# KiCad board nyx.kicad_pcb (continued)
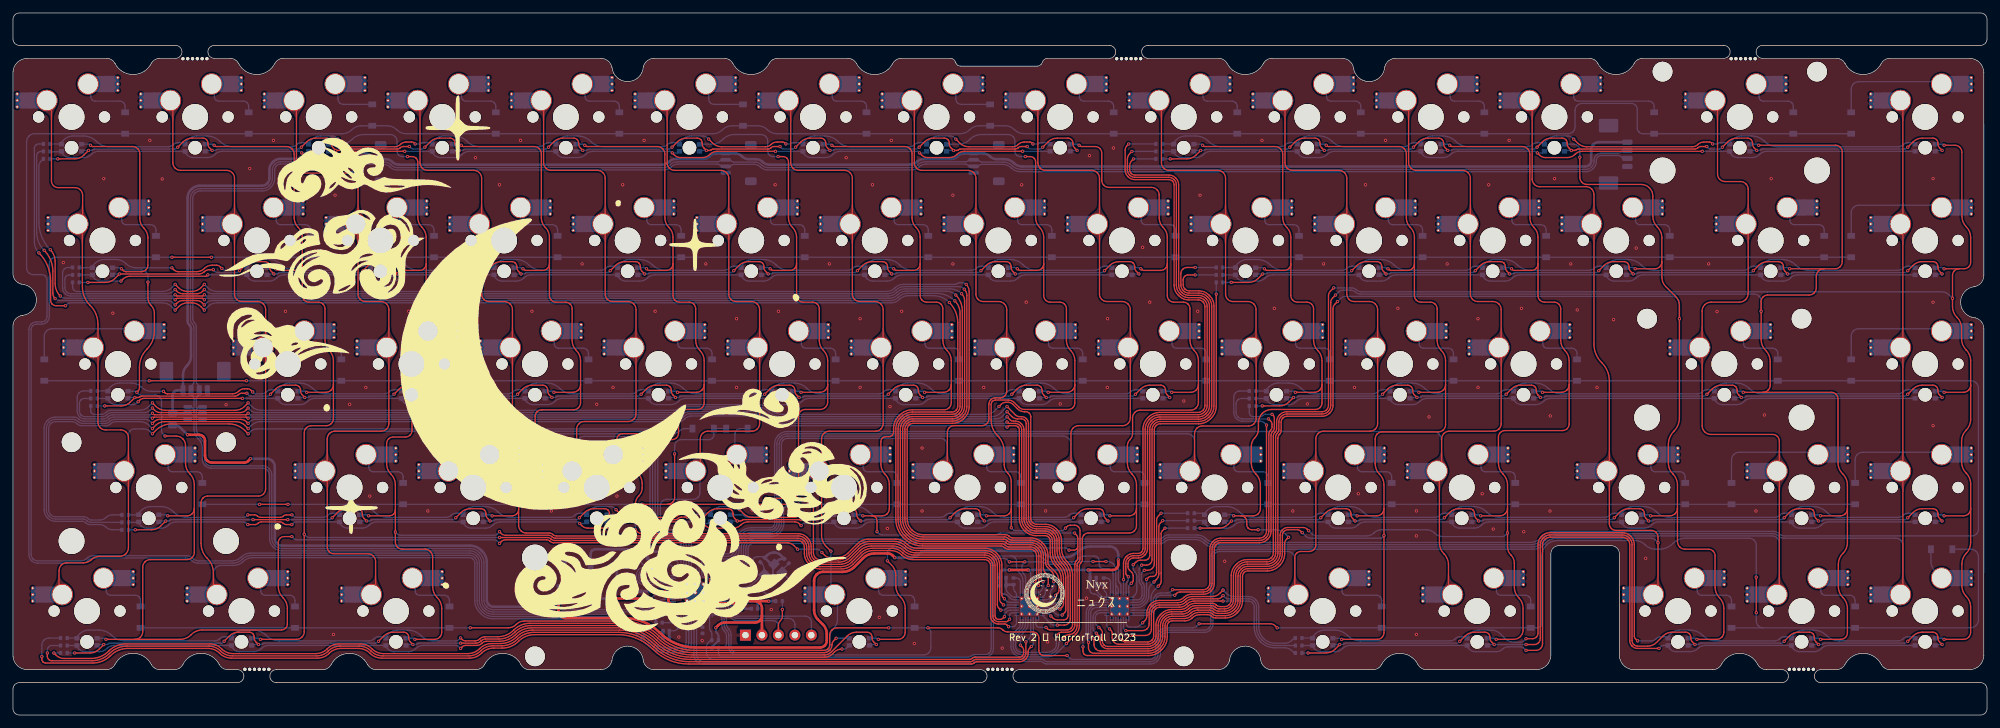
[diagram p0: board, top side]
## Routing (per net, layer and track width the routed paths; a pad name or vN(x,y) marks a point on that pad's centre or on a via; arc(x,y) is an arc through that point) (continued)
  Bottom w0.2: R15.1 8.5,69.02 arc(8.18,68.96) 7.9,68.77 7.9,68.77 arc(7.72,68.5) 7.65,68.17 7.65,65.87 arc(7.74,65.42) 8,65.03 8.05,64.97 arc(8.44,64.71) 8.9,64.62 24.7,64.62 arc(24.79,64.64) 24.87,64.7 v1(25,64.82) ; U2.1 159,18.48 arc(159.11,18.64) 159.15,18.83 159.15,19.31 arc(159.19,19.51) 159.3,19.67 v1(159.6,19.97) ; v1(29.5,64.82) 29.63,64.7 arc(29.71,64.64) 29.8,64.62 134.93,64.62 arc(135.64,64.76) 136.24,65.16 136.26,65.18 arc(136.86,65.58) 137.57,65.72 144.44,65.72 arc(145.42,65.53) 146.25,64.98 v1(146.25,64.97)
CS4_2: length 69.5
  Top w0.2: v1(172.7,23.17) 173.11,23.58 arc(173.43,23.8) 173.82,23.87 174.49,23.87 arc(174.78,23.93) 175.02,24.09 175.03,24.1 arc(175.19,24.35) 175.25,24.63 175.25,44.04 arc(175.36,44.61) 175.69,45.1 175.77,45.18 arc(176.26,45.51) 176.83,45.62 182.75,45.62 arc(183.5,45.77) 184.13,46.19 184.23,46.29 arc(184.65,46.92) 184.8,47.67 184.8,63.07 arc(184.65,63.8) 184.24,64.41 184.14,64.51 arc(183.52,64.93) 182.8,65.07 181.3,65.07 arc(180.84,65.16) 180.45,65.42 180.4,65.47 arc(180.14,65.86) 180.05,66.32 180.05,68.1 arc(180.12,68.44) 180.31,68.73 180.34,68.76 arc(180.63,68.95) 180.97,69.02 v1(182.25,69.02)
  Bottom w0.2: U4.1 172.96,18.53 arc(173.17,18.85) 173.25,19.24 173.25,21.4 arc(173.18,21.74) 172.99,22.04 172.96,22.06 arc(172.77,22.35) 172.7,22.7 v1(172.7,23.17) ; 185.64,69.02 v1(182.25,69.02)
CS5_1: length 220
  Top w0.2: v1(146.65,65.67) 146.66,65.67 arc(146.95,65.23) 147.05,64.71 147.05,47.56 arc(146.89,46.76) 146.44,46.07 146.3,45.94 arc(145.62,45.49) 144.82,45.33 138.75,45.33 arc(138.29,45.24) 137.9,44.98 137.85,44.93 arc(137.59,44.54) 137.5,44.08 137.5,30.27 arc(137.71,29.21) 138.31,28.32 138.36,28.27 arc(139.25,27.68) 140.3,27.47 152.86,27.47 arc(153.16,27.41) 153.42,27.23 153.45,27.2 arc(153.71,27.03) 154.02,26.97 156.87,26.97 arc(157.71,26.8) 158.42,26.33 158.55,26.2 arc(159.03,25.48) 159.2,24.64 159.2,23.49 arc(159.27,23.1) 159.49,22.78 160.16,22.11 arc(160.37,21.79) 160.45,21.41 v1(160.45,20.57) ; v1(25,65.62) 25.28,65.34 arc(25.69,65.07) 26.17,64.97 28.33,64.97 arc(28.81,65.07) 29.22,65.34 v1(29.5,65.62)
  Bottom w0.2: v1(29.5,65.62) 29.64,65.48 arc(30.21,65.1) 30.88,64.97 134.79,64.97 arc(135.5,65.11) 136.1,65.51 136.11,65.53 arc(136.71,65.93) 137.42,66.07 145.69,66.07 arc(146.21,65.97) 146.65,65.68 v1(146.65,65.67) ; v1(160.45,20.57) 160.45,20 arc(160.38,19.65) 160.19,19.36 160.16,19.34 arc(159.97,19.04) 159.9,18.7 159.9,18.34 arc(159.86,18.13) 159.74,17.96 159.72,17.93 arc(159.54,17.81) 159.33,17.77 U2.2 ; v1(25,65.62) 24.86,65.48 arc(24.29,65.1) 23.62,64.97 8.92,64.97 arc(8.58,65.04) 8.29,65.23 8.26,65.26 arc(8.07,65.55) 8,65.9 8,67.2 arc(8.05,67.45) 8.19,67.66 8.21,67.68 arc(8.42,67.82) 8.67,67.87 R14.1
CS5_2: length 69
  Top w0.2: v1(182.25,67.87) 181.16,67.87 arc(180.87,67.82) 180.63,67.65 180.62,67.64 arc(180.46,67.4) 180.4,67.11 180.4,66.34 arc(180.47,66) 180.66,65.7 180.68,65.68 arc(180.98,65.49) 181.32,65.42 182.82,65.42 arc(183.66,65.25) 184.37,64.78 184.5,64.64 arc(184.98,63.93) 185.15,63.09 185.15,47.65 arc(184.98,46.79) 184.49,46.06 184.36,45.93 arc(183.63,45.44) 182.77,45.27 176.85,45.27 arc(176.39,45.18) 176,44.92 175.95,44.87 arc(175.69,44.48) 175.6,44.02 175.6,23.97 arc(175.54,23.65) 175.35,23.37 175.35,23.37 arc(175.07,23.19) 174.75,23.12 v1(174,23.12)
  Bottom w0.2: 185.64,67.87 v1(182.25,67.87) ; U4.2 173.38,17.77 arc(173.63,17.82) 173.84,17.96 173.86,17.98 arc(174,18.19) 174.05,18.44 174.05,19.66 arc(173.99,19.95) 173.83,20.19 173.82,20.2 arc(173.66,20.45) 173.6,20.73 173.6,22.51 arc(173.64,22.71) 173.75,22.87 v1(174,23.12)
CS6_1: length 219.2
  Top w0.2: v1(25,66.42) 25.52,65.91 arc(26.16,65.47) 26.93,65.32 27.57,65.32 arc(28.34,65.47) 28.98,65.91 v1(29.5,66.42) ; v1(146.95,66.42) 146.96,66.41 arc(147.29,65.93) 147.4,65.35 147.4,47.54 arc(147.22,46.62) 146.7,45.84 146.54,45.68 arc(145.76,45.16) 144.84,44.98 138.77,44.98 arc(138.43,44.91) 138.13,44.72 138.11,44.69 arc(137.92,44.4) 137.85,44.06 137.85,30.29 arc(138.04,29.35) 138.57,28.55 138.59,28.53 arc(139.38,28) 140.32,27.82 153,27.82 arc(153.31,27.76) 153.57,27.58 153.59,27.55 arc(153.85,27.38) 154.16,27.32 156.89,27.32 arc(157.85,27.13) 158.66,26.59 158.82,26.43 arc(159.36,25.62) 159.55,24.66 159.55,23.63 arc(159.62,23.25) 159.84,22.92 160.66,22.1 arc(161.1,21.45) 161.25,20.68 161.25,19.18 arc(161.21,18.99) 161.1,18.83 v1(160.75,18.47)
  Bottom w0.2: v1(160.75,18.47) 159.9,17.62 arc(159.62,17.44) 159.3,17.37 U2.3 ; R13.1 9.19,66 arc(9.24,65.75) 9.38,65.54 9.41,65.51 arc(9.62,65.37) 9.87,65.32 23.07,65.32 arc(23.84,65.47) 24.48,65.91 v1(25,66.42) ; v1(146.95,66.42) 146.95,66.42 arc(146.67,66.61) 146.35,66.67 145.87,66.67 arc(145.71,66.64) 145.58,66.56 145.57,66.54 arc(145.44,66.45) 145.28,66.42 137.28,66.42 arc(136.57,66.28) 135.97,65.88 135.95,65.86 arc(135.35,65.46) 134.64,65.32 31.43,65.32 arc(30.66,65.47) 30.02,65.91 v1(29.5,66.42)
CS6_2: length 60
  Top w0.2: v1(185.5,64.92) 185.5,47.63 arc(185.31,46.65) 184.75,45.83 184.6,45.67 arc(183.77,45.12) 182.79,44.92 176.87,44.92 arc(176.53,44.85) 176.23,44.66 176.21,44.64 arc(176.02,44.34) 175.95,44 175.95,23.34 arc(175.87,22.95) 175.66,22.63 175.64,22.62 arc(175.32,22.4) 174.94,22.32 v1(174.4,22.32)
  Bottom w0.2: U4.3 173.35,17.37 arc(173.71,17.44) 174.02,17.65 174.12,17.75 arc(174.33,18.06) 174.4,18.42 174.4,19.81 arc(174.34,20.09) 174.18,20.34 174.17,20.35 arc(174.01,20.59) 173.95,20.88 173.95,21.66 arc(173.99,21.86) 174.1,22.02 v1(174.4,22.32) ; v1(185.5,64.92) R28.1
CS7_1: length 211.2
  Top w0.2: v1(21.5,44.17) 21.99,44.66 arc(22.64,45.09) 23.4,45.25 34.35,45.25 arc(35.11,45.09) 35.76,44.66 v1(36.25,44.17) ; v1(153.25,44.4) 153.4,44.55 arc(153.48,44.6) 153.58,44.62 154.49,44.62 arc(154.74,44.57) 154.95,44.43 154.96,44.42 arc(155.1,44.21) 155.15,43.96 155.15,30.23 arc(155.33,29.31) 155.85,28.53 156.01,28.37 arc(156.79,27.85) 157.71,27.67 159.09,27.67 arc(159.39,27.61) 159.65,27.44 159.66,27.43 arc(159.84,27.17) 159.9,26.86 159.9,24.99 arc(160.12,23.89) 160.75,22.94 160.75,22.94 arc(161.38,22) 161.6,20.89 161.6,17.73 arc(161.58,17.63) 161.53,17.55 v1(161.25,17.27)
  Bottom w0.2: R21.1 15.31,30.87 arc(14.79,30.77) 14.36,30.48 14.35,30.47 arc(13.91,30.17) 13.39,30.07 12.12,30.07 arc(11.82,30.13) 11.56,30.31 11.52,30.34 arc(11.27,30.51) 10.96,30.57 6.61,30.57 arc(6.18,30.66) 5.83,30.89 5.82,30.9 arc(5.58,31.26) 5.5,31.68 5.5,44.19 arc(5.58,44.59) 5.81,44.93 5.82,44.94 arc(6.16,45.17) 6.56,45.25 9.11,45.25 arc(9.51,45.17) 9.86,44.94 9.87,44.93 arc(10.21,44.7) 10.61,44.62 14.34,44.62 arc(14.74,44.7) 15.08,44.93 15.09,44.94 arc(15.43,45.17) 15.83,45.25 19.6,45.25 arc(20.36,45.09) 21.01,44.66 v1(21.5,44.17) ; v1(153.25,44.4) 153.1,44.55 arc(153.02,44.6) 152.92,44.62 117.77,44.62 arc(116.79,44.82) 115.96,45.37 115.96,45.37 arc(115.13,45.93) 114.16,46.12 104.6,46.12 arc(104.05,46.01) 103.57,45.7 103.55,45.67 arc(103.08,45.36) 102.52,45.25 38.15,45.25 arc(37.39,45.09) 36.74,44.66 v1(36.25,44.17) ; v1(161.25,17.27) 160.75,17.27 arc(160.56,17.23) 160.4,17.13 160.39,17.12 arc(160.23,17.01) 160.04,16.97 U2.4
CS7_2: length 21
  Top w0.2: v1(174.75,20.92) 175.05,21.23 arc(175.22,21.33) 175.41,21.37 175.72,21.37 arc(175.93,21.41) 176.11,21.53 176.14,21.56 arc(176.26,21.74) 176.3,21.95 176.3,30.01 arc(176.38,30.39) 176.59,30.71 v1(177,31.12)
  Bottom w0.2: R36.1 v1(177,31.12) ; v1(174.75,20.92) 174.75,18.4 arc(174.65,17.92) 174.38,17.52 174.2,17.34 arc(173.8,17.07) 173.32,16.97 U4.4
CS8_1: length 213.2
  Top w0.2: v1(153.25,45.2) 153.4,45.05 arc(153.48,44.99) 153.58,44.97 154.53,44.97 arc(154.87,44.9) 155.16,44.71 155.24,44.64 arc(155.43,44.34) 155.5,44 155.5,30.25 arc(155.66,29.45) 156.12,28.77 156.25,28.63 arc(156.93,28.18) 157.73,28.02 159.11,28.02 arc(159.53,27.94) 159.89,27.7 159.92,27.66 arc(160.16,27.3) 160.25,26.88 160.25,25.14 arc(160.47,24.03) 161.1,23.09 161.1,23.09 arc(161.73,22.14) 161.95,21.03 161.95,17.18 arc(161.89,16.9) 161.73,16.65 v1(161.4,16.32) ; v1(36.25,44.97) 35.99,45.23 arc(35.59,45.5) 35.11,45.6 22.64,45.6 arc(22.16,45.5) 21.76,45.23 v1(21.5,44.97)
  Bottom w0.2: v1(153.25,45.2) 153.1,45.05 arc(153.02,44.99) 152.92,44.97 117.91,44.97 arc(116.94,45.17) 116.11,45.72 116.1,45.72 arc(115.28,46.28) 114.3,46.47 104.46,46.47 arc(103.9,46.36) 103.43,46.05 103.4,46.02 arc(102.93,45.71) 102.38,45.6 37.39,45.6 arc(36.91,45.5) 36.51,45.23 v1(36.25,44.97) ; U2.5 160.13,16.57 arc(160.28,16.54) 160.41,16.46 160.43,16.44 arc(160.56,16.35) 160.71,16.32 v1(161.4,16.32) ; R20.1 11.98,29.72 arc(11.67,29.78) 11.41,29.96 11.38,29.99 arc(11.12,30.16) 10.81,30.22 6.59,30.22 arc(6.05,30.33) 5.6,30.63 5.56,30.67 arc(5.26,31.12) 5.15,31.66 5.15,44.21 arc(5.25,44.72) 5.55,45.16 5.58,45.2 arc(6.02,45.49) 6.54,45.6 9.26,45.6 arc(9.66,45.52) 10,45.29 10.01,45.28 arc(10.35,45.05) 10.75,44.97 14.19,44.97 arc(14.59,45.05) 14.93,45.28 14.94,45.29 arc(15.28,45.52) 15.69,45.6 20.36,45.6 arc(20.84,45.5) 21.24,45.23 v1(21.5,44.97)
CS8_2: length 19.7
  Top w0.2: v1(177.25,29.97) 176.87,29.59 arc(176.71,29.35) 176.65,29.06 176.65,21.79 arc(176.55,21.31) 176.28,20.9 v1(175.9,20.52)
  Bottom w0.2: v1(177.25,29.97) R35.1 ; v1(175.9,20.52) 175.39,20.01 arc(175.18,19.69) 175.1,19.31 175.1,18.38 arc(174.98,17.79) 174.65,17.28 174.39,17.03 arc(173.88,16.69) 173.29,16.57 U4.5
CS9_1: length 216.2
  Top w0.2: v1(36.25,45.77) 36.15,45.87 arc(36.07,45.93) 35.97,45.95 21.78,45.95 arc(21.68,45.93) 21.6,45.87 v1(21.5,45.77) ; v1(161.75,15.42) 162.15,15.82 arc(162.26,15.99) 162.3,16.18 162.3,21.18 arc(162.08,22.29) 161.45,23.23 161.45,23.23 arc(160.82,24.17) 160.6,25.28 160.6,26.9 arc(160.49,27.44) 160.19,27.89 160.12,27.96 arc(159.67,28.26) 159.13,28.37 157.75,28.37 arc(157.06,28.51) 156.48,28.9 156.38,29 arc(155.99,29.58) 155.85,30.27 155.85,44.02 arc(155.76,44.48) 155.5,44.87 155.4,44.97 arc(155.01,45.23) 154.55,45.32 154.24,45.32 arc(153.95,45.38) 153.71,45.54 v1(153.25,46)
  Bottom w0.2: U2.6 159.89,16.17 arc(160.18,16.12) 160.42,15.95 160.73,15.64 arc(160.97,15.48) 161.26,15.42 v1(161.75,15.42) ; v1(21.5,45.77) 21.4,45.87 arc(21.32,45.93) 21.22,45.95 15.54,45.95 arc(15.14,45.87) 14.8,45.64 14.79,45.63 arc(14.45,45.4) 14.05,45.32 10.9,45.32 arc(10.5,45.4) 10.15,45.63 10.14,45.64 arc(9.8,45.87) 9.4,45.95 6.52,45.95 arc(5.89,45.82) 5.35,45.46 5.28,45.4 arc(4.93,44.86) 4.8,44.23 4.8,31.64 arc(4.93,30.99) 5.3,30.43 5.36,30.37 arc(5.91,30) 6.56,29.87 10.67,29.87 arc(10.98,29.81) 11.24,29.64 11.27,29.61 arc(11.53,29.43) 11.83,29.37 13.39,29.37 arc(13.91,29.27) 14.35,28.98 14.36,28.97 arc(14.79,28.68) 15.31,28.57 R19.1 ; v1(36.25,45.77) 36.35,45.87 arc(36.43,45.93) 36.53,45.95 102.23,45.95 arc(102.79,46.06) 103.26,46.37 103.29,46.4 arc(103.76,46.71) 104.31,46.82 114.45,46.82 arc(115.42,46.63) 116.25,46.07 116.25,46.07 arc(117.08,45.52) 118.06,45.32 152.16,45.32 arc(152.54,45.4) 152.87,45.61 v1(153.25,46)
CS9_2: length 19.4
  Top w0.2: v1(177.6,28.82) 177.17,28.4 arc(177.04,28.2) 177,27.97 177,21.87 177,21.87 177,20.53 arc(176.96,20.34) 176.85,20.18 v1(176.55,19.87)
  Bottom w0.2: v1(177.6,28.82) R34.1 ; v1(176.55,19.87) 175.96,19.28 arc(175.58,18.72) 175.45,18.05 175.45,16.93 arc(175.39,16.64) 175.23,16.4 175.22,16.39 arc(174.98,16.23) 174.69,16.17 U4.6
CS10_1: length 192.2
  Top w0.2: v1(36.25,46.55) 36.07,46.37 arc(35.99,46.31) 35.89,46.3 21.86,46.3 arc(21.76,46.31) 21.68,46.37 v1(21.5,46.55) ; v1(153.25,46.77) 153.99,46.04 arc(154.39,45.77) 154.87,45.67 155.47,45.67 arc(155.74,45.62) 155.96,45.47 155.99,45.43 arc(156.15,45.21) 156.2,44.94 156.2,30.29 arc(156.31,29.72) 156.64,29.23 156.71,29.16 arc(157.2,28.83) 157.77,28.72 159.15,28.72 arc(159.8,28.59) 160.35,28.22 160.45,28.12 arc(160.82,27.57) 160.95,26.92 160.95,25.43 arc(161.17,24.32) 161.8,23.38 161.8,23.37 arc(162.43,22.43) 162.65,21.32 162.65,15.34 arc(162.6,15.09) 162.46,14.88 162.44,14.86 arc(162.23,14.72) 161.98,14.67 161.01,14.67 arc(160.63,14.75) 160.31,14.97 v1(160,15.27)
  Bottom w0.2: v1(153.25,46.77) 152.59,46.11 arc(152.1,45.79) 151.53,45.67 118.2,45.67 arc(117.23,45.87) 116.4,46.42 116.39,46.42 arc(115.57,46.98) 114.59,47.17 104.17,47.17 arc(103.61,47.06) 103.14,46.75 103.11,46.72 arc(102.64,46.41) 102.09,46.3 36.61,46.3 arc(36.51,46.31) 36.43,46.37 v1(36.25,46.55) ; U2.7 159.29,15.77 arc(159.48,15.73) 159.65,15.63 v1(160,15.27) ; v1(21.5,46.55) 21.32,46.37 arc(21.24,46.31) 21.14,46.3 15.4,46.3 arc(14.99,46.22) 14.65,45.99 14.64,45.98 arc(14.3,45.75) 13.9,45.67 11.08,45.67 arc(10.64,45.76) 10.27,46.01 10.24,46.04 arc(9.99,46.41) 9.9,46.85 9.9,48.98 arc(9.98,49.36) 10.19,49.69 10.2,49.69 arc(10.52,49.91) 10.9,49.98 R18.1
CS10_2: length 57.9
  Top w0.2: v1(193.25,44.72) 193.25,28.38 arc(193.17,27.96) 192.93,27.6 192.92,27.59 arc(192.57,27.36) 192.14,27.27 186.16,27.27 arc(185.55,27.15) 185.03,26.8 184.97,26.74 arc(184.62,26.22) 184.5,25.61 184.5,20.34 arc(184.42,19.95) 184.21,19.63 184.19,19.62 arc(183.87,19.4) 183.49,19.32 v1(178.75,19.32)
  Bottom w0.2: v1(193.25,44.72) 192.94,45.03 arc(192.62,45.25) 192.24,45.32 189.54,45.32 arc(189.05,45.42) 188.62,45.7 188.58,45.75 arc(188.3,46.17) 188.2,46.67 188.2,49.05 arc(188.27,49.39) 188.46,49.69 188.49,49.71 arc(188.78,49.9) 189.12,49.97 R33.1 ; U4.7 174.66,15.77 arc(175.06,15.85) 175.4,16.08 175.49,16.17 arc(175.72,16.51) 175.8,16.91 175.8,17.66 arc(175.88,18.08) 176.12,18.44 176.18,18.5 arc(176.54,18.74) 176.96,18.82 177.94,18.82 arc(178.23,18.88) 178.47,19.04 v1(178.75,19.32)
CS11_1: length 193
  Top w0.2: v1(21.5,47.35) 21.84,47.01 arc(22.24,46.74) 22.72,46.64 35.03,46.64 arc(35.51,46.74) 35.91,47.01 v1(36.25,47.35) ; v1(153.25,47.57) 154.51,46.31 arc(154.83,46.1) 155.22,46.02 155.49,46.02 arc(155.87,45.94) 156.2,45.73 156.26,45.67 arc(156.47,45.34) 156.55,44.96 156.55,30.31 arc(156.64,29.85) 156.9,29.46 156.94,29.42 arc(157.33,29.16) 157.79,29.07 159.17,29.07 arc(159.94,28.92) 160.58,28.48 160.71,28.36 arc(161.14,27.71) 161.3,26.94 161.3,25.57 arc(161.52,24.46) 162.15,23.52 162.15,23.52 arc(162.78,22.58) 163,21.47 163,14.79 arc(162.93,14.45) 162.73,14.16 162.71,14.14 arc(162.42,13.94) 162.08,13.87 v1(161,13.87)
  Bottom w0.2: v1(21.5,47.35) 21.16,47.01 arc(20.76,46.74) 20.28,46.64 15.25,46.64 arc(14.85,46.57) 14.51,46.34 14.5,46.33 arc(14.16,46.1) 13.76,46.02 11.1,46.02 arc(10.78,46.09) 10.5,46.27 10.5,46.27 arc(10.31,46.55) 10.25,46.87 10.25,48.06 arc(10.31,48.35) 10.47,48.59 10.48,48.6 arc(10.72,48.77) 11.01,48.82 R17.1 ; U2.8 159.98,14.09 arc(160.22,13.93) 160.51,13.87 v1(161,13.87) ; v1(36.25,47.35) 36.59,47.01 arc(36.99,46.74) 37.47,46.64 101.94,46.64 arc(102.5,46.76) 102.97,47.07 103,47.1 arc(103.47,47.41) 104.02,47.52 114.73,47.52 arc(115.71,47.33) 116.54,46.77 116.54,46.77 arc(117.37,46.22) 118.35,46.02 150.87,46.02 arc(151.64,46.17) 152.28,46.61 v1(153.25,47.57)
CS11_2: length 57.9
  Top w0.2: v1(193.55,45.67) 193.88,45.34 arc(194.04,45.1) 194.1,44.81 194.1,44.45 arc(194.04,44.15) 193.87,43.89 193.83,43.86 arc(193.66,43.6) 193.6,43.29 193.6,28.36 arc(193.49,27.82) 193.19,27.37 193.15,27.33 arc(192.7,27.03) 192.16,26.92 186.18,26.92 arc(185.69,26.82) 185.26,26.54 185.23,26.51 arc(184.95,26.09) 184.85,25.59 184.85,20.32 arc(184.75,19.82) 184.47,19.4 184.43,19.35 arc(184,19.07) 183.51,18.97 179.91,18.97 arc(179.62,18.92) 179.38,18.75 v1(179.1,18.47)
  Bottom w0.2: R32.1 189.4,48.82 arc(189.08,48.76) 188.8,48.57 188.8,48.57 arc(188.61,48.3) 188.55,47.97 188.55,46.69 arc(188.63,46.3) 188.84,45.98 188.86,45.96 arc(189.18,45.75) 189.56,45.67 v1(193.55,45.67) ; v1(179.1,18.47) 176.98,18.47 arc(176.67,18.41) 176.41,18.24 176.38,18.21 arc(176.21,17.95) 176.15,17.64 176.15,16.89 arc(176.05,16.37) 175.75,15.94 175.58,15.77 arc(175.15,15.48) 174.63,15.37 U4.8
CS12_1: length 193
  Top w0.2: v1(36.25,48.15) 35.68,47.58 arc(35.03,47.15) 34.27,46.99 23.48,46.99 arc(22.72,47.15) 22.07,47.58 v1(21.5,48.15) ; v1(152,47.57) 152.36,47.93 arc(152.68,48.15) 153.06,48.22 153.44,48.22 arc(153.82,48.15) 154.14,47.93 154.85,47.23 arc(155.35,46.89) 155.94,46.77 156.14,46.77 arc(156.43,46.72) 156.67,46.55 156.68,46.54 arc(156.84,46.3) 156.9,46.01 156.9,30.33 arc(156.97,29.99) 157.16,29.69 157.18,29.68 arc(157.47,29.49) 157.81,29.42 159.19,29.42 arc(160.07,29.24) 160.82,28.74 160.97,28.59 arc(161.47,27.84) 161.65,26.96 161.65,25.72 arc(161.87,24.61) 162.49,23.67 162.5,23.66 arc(163.13,22.72) 163.35,21.61 163.35,13.95 arc(163.29,13.65) 163.11,13.39 163.08,13.36 arc(162.82,13.18) 162.52,13.12 159.86,13.12 arc(159.67,13.16) 159.5,13.27 v1(159.25,13.52)
  Bottom w0.2: R16.1 11.99,46.89 arc(12.03,46.7) 12.14,46.54 12.16,46.52 arc(12.32,46.41) 12.51,46.37 13.61,46.37 arc(14.01,46.45) 14.36,46.68 14.36,46.69 arc(14.71,46.91) 15.11,46.99 19.52,46.99 arc(20.28,47.15) 20.93,47.58 v1(21.5,48.15) ; v1(36.25,48.15) 36.82,47.58 arc(37.47,47.15) 38.23,46.99 101.8,46.99 arc(102.35,47.1) 102.83,47.42 102.85,47.44 arc(103.32,47.76) 103.88,47.87 114.88,47.87 arc(115.86,47.68) 116.68,47.12 116.69,47.12 arc(117.52,46.56) 118.49,46.37 150.07,46.37 arc(150.74,46.5) 151.31,46.88 v1(152,47.57) ; U2.10 157.7,14.03 arc(157.74,13.84) 157.85,13.68 157.85,13.67 arc(158.02,13.56) 158.21,13.52 v1(159.25,13.52)
CS12_2: length 57.1
  Top w0.2: v1(174.15,14.22) 174.51,14.58 arc(174.72,14.9) 174.8,15.29 174.8,15.76 arc(174.94,16.45) 175.33,17.03 175.44,17.15 arc(176.02,17.54) 176.71,17.67 179.39,17.67 arc(180,17.79) 180.52,18.14 180.53,18.15 arc(181.05,18.5) 181.66,18.62 183.53,18.62 arc(184.14,18.75) 184.66,19.09 184.73,19.16 arc(185.08,19.68) 185.2,20.3 185.2,25.57 arc(185.28,25.95) 185.49,26.28 185.5,26.28 arc(185.82,26.5) 186.2,26.57 192.19,26.57 arc(192.84,26.7) 193.39,27.07 193.45,27.13 arc(193.82,27.69) 193.95,28.34 193.95,43.14 arc(194.01,43.45) 194.18,43.71 194.22,43.74 arc(194.39,44) 194.45,44.3 194.45,45.88 arc(194.42,46.01) 194.35,46.13 v1(194.1,46.37)
  Bottom w0.2: U4.10 171.6,14.15 arc(171.64,13.94) 171.76,13.76 171.79,13.73 arc(171.97,13.61) 172.18,13.57 173.09,13.57 arc(173.47,13.65) 173.79,13.87 v1(174.15,14.22) ; v1(194.1,46.37) 193.08,46.37 arc(192.87,46.33) 192.69,46.21 192.66,46.18 arc(192.48,46.06) 192.27,46.02 191.2,46.02 arc(190.97,46.07) 190.77,46.2 190.77,46.2 arc(190.64,46.4) 190.59,46.63 R31.1
CS13_1: length 168.4
  Top w0.2: v1(4.45,9.02) 4.45,8.6 arc(4.49,8.39) 4.61,8.21 4.64,8.18 arc(4.82,8.06) 5.03,8.02 12.33,8.02 arc(13.78,8.31) 15.01,9.14 15.04,9.16 arc(16.27,9.98) 17.72,10.27 30.05,10.27 arc(31.03,10.08) 31.86,9.53 31.86,9.52 arc(32.69,8.97) 33.67,8.77 46.94,8.77 arc(47.92,8.97) 48.75,9.52 48.75,9.53 arc(49.58,10.08) 50.56,10.27 53.24,10.27 arc(54.22,10.08) 55.05,9.53 55.05,9.52 arc(55.88,8.97) 56.86,8.77 70.39,8.77 arc(71.39,8.97) 72.23,9.53 72.26,9.56 arc(73.11,10.13) 74.1,10.32 75.44,10.32 arc(76.78,10.59) 77.92,11.35 77.94,11.38 arc(79.08,12.14) 80.42,12.4 93.22,12.4 arc(96.16,11.82) 98.66,10.15 98.68,10.13 arc(101.18,8.46) 104.12,7.87 147.77,7.87 arc(147.98,7.91) 148.16,8.03 148.19,8.06 arc(148.37,8.18) 148.58,8.22 155.18,8.22 arc(155.66,8.32) 156.07,8.59 156.13,8.66 arc(156.4,9.06) 156.5,9.54 156.5,9.77 arc(156.56,10.06) 156.72,10.3 v1(157,10.58)
  Bottom w0.2: R24.1 5.56,11.87 arc(5.13,11.79) 4.78,11.55 4.77,11.54 arc(4.53,11.19) 4.45,10.77 v1(4.45,9.02) ; U2.11 157.3,10.98 arc(157.28,10.89) 157.23,10.81 v1(157,10.58)
CS13_2: length 37.8
  Top w0.2: v1(186.55,19.27) 186.06,18.79 arc(185.5,18.41) 184.83,18.27 181.81,18.27 arc(181.2,18.15) 180.68,17.81 180.66,17.79 arc(180.14,17.44) 179.53,17.32 176.73,17.32 arc(176.16,17.21) 175.67,16.88 175.59,16.8 arc(175.26,16.31) 175.15,15.74 175.15,14.04 arc(175.07,13.65) 174.86,13.33 174.84,13.32 arc(174.52,13.1) 174.14,13.02 v1(171.55,13.02)
  Bottom w0.2: U4.11 171.2,13.48 arc(171.22,13.38) 171.27,13.3 v1(171.55,13.02) ; R39.1 197.5,11.87 197.14,11.51 arc(196.65,11.19) 196.08,11.07 194.57,11.07 arc(193.62,11.26) 192.81,11.8 192.78,11.83 arc(192.24,12.64) 192.05,13.6 192.05,16.7 arc(191.94,17.28) 191.61,17.76 191.54,17.83 arc(191.05,18.16) 190.48,18.27 188.27,18.27 arc(187.6,18.41) 187.04,18.79 v1(186.55,19.27)
CS14_1: length 164.8
  Top w0.2: v1(156.15,11.28) 156.15,9.56 arc(156.08,9.2) 155.87,8.89 155.83,8.85 arc(155.52,8.64) 155.16,8.57 148.43,8.57 arc(148.22,8.53) 148.04,8.41 148.02,8.38 arc(147.84,8.26) 147.63,8.22 104.27,8.22 arc(101.32,8.81) 98.82,10.48 98.81,10.5 arc(96.31,12.16) 93.36,12.75 80.27,12.75 arc(78.93,12.48) 77.8,11.73 77.77,11.7 arc(76.64,10.94) 75.3,10.67 73.96,10.67 arc(72.96,10.48) 72.12,9.91 72.09,9.88 arc(71.24,9.32) 70.25,9.12 57,9.12 arc(56.03,9.32) 55.2,9.87 55.19,9.87 arc(54.36,10.43) 53.39,10.62 50.41,10.62 arc(49.44,10.43) 48.61,9.87 48.6,9.87 arc(47.77,9.32) 46.8,9.12 33.81,9.12 arc(32.84,9.32) 32.01,9.87 32,9.88 arc(31.17,10.43) 30.2,10.62 17.58,10.62 arc(16.13,10.33) 14.89,9.51 14.87,9.48 arc(13.64,8.66) 12.18,8.37 5.97,8.37 arc(5.72,8.42) 5.51,8.56 5.49,8.58 arc(5.35,8.79) 5.3,9.04 v1(5.3,9.57)
  Bottom w0.2: R23.1 5.97,10.72 arc(5.72,10.67) 5.51,10.53 5.49,10.51 arc(5.35,10.3) 5.3,10.05 v1(5.3,9.57) ; U2.12 156.9,12.44 arc(156.82,12.06) 156.61,11.74 v1(156.15,11.28)
CS14_2: length 38.8
  Top w0.2: v1(186.55,18.42) 186.27,18.14 arc(186.03,17.98) 185.74,17.92 181.95,17.92 arc(181.34,17.8) 180.82,17.46 180.81,17.44 arc(180.29,17.1) 179.68,16.97 176.75,16.97 arc(176.29,16.88) 175.91,16.62 175.85,16.57 arc(175.59,16.18) 175.5,15.72 175.5,13.19 arc(175.43,12.85) 175.24,12.56 175.21,12.54 arc(174.92,12.34) 174.58,12.27 v1(172.25,12.27)
  Bottom w0.2: U4.12 170.8,13.03 arc(170.86,12.75) 171.02,12.5 171.03,12.49 arc(171.27,12.33) 171.56,12.27 v1(172.25,12.27) ; R38.1 194.55,10.72 arc(193.48,10.94) 192.57,11.54 192.52,11.6 arc(191.91,12.5) 191.7,13.58 191.7,16.68 arc(191.61,17.14) 191.35,17.53 191.31,17.57 arc(190.92,17.83) 190.46,17.92 187.36,17.92 arc(187.07,17.98) 186.83,18.14 v1(186.55,18.42)
CS15_1: length 161
  Top w0.2: v1(6.3,9.57) 6.64,9.23 arc(7.21,8.85) 7.88,8.72 12.04,8.72 arc(13.49,9.01) 14.72,9.83 14.75,9.86 arc(15.98,10.68) 17.44,10.97 30.34,10.97 arc(31.32,10.78) 32.15,10.23 32.15,10.22 arc(32.98,9.67) 33.96,9.47 46.65,9.47 arc(47.63,9.67) 48.46,10.22 48.46,10.22 arc(49.29,10.78) 50.27,10.97 53.53,10.97 arc(54.51,10.78) 55.34,10.22 55.34,10.22 arc(56.17,9.67) 57.15,9.47 70.1,9.47 arc(71.1,9.67) 71.94,10.23 71.97,10.26 arc(72.82,10.83) 73.81,11.02 75.15,11.02 arc(76.49,11.29) 77.63,12.05 77.65,12.08 arc(78.79,12.83) 80.13,13.1 93.51,13.1 arc(96.45,12.51) 98.95,10.85 98.97,10.83 arc(101.47,9.16) 104.41,8.57 147.48,8.57 arc(147.69,8.61) 147.87,8.73 147.9,8.76 arc(148.08,8.88) 148.29,8.92 155.14,8.92 arc(155.39,8.97) 155.6,9.11 155.61,9.12 arc(155.75,9.33) 155.8,9.58 155.8,9.97 arc(155.74,10.26) 155.58,10.5 v1(155.3,10.78)
  Bottom w0.2: R22.1 v1(6.3,9.57) ; U2.13 156.5,14.21 arc(156.36,13.48) 155.94,12.87 155.74,12.66 arc(155.41,12.17) 155.3,11.6 v1(155.3,10.78)
CS15_2: length 40.7
  Top w0.2: v1(186.55,17.57) 186.55,17.57 182.1,17.57 arc(181.49,17.45) 180.97,17.11 180.95,17.09 arc(180.43,16.75) 179.82,16.62 176.77,16.62 arc(176.43,16.56) 176.14,16.36 176.11,16.33 arc(175.92,16.04) 175.85,15.7 175.85,12.19 arc(175.78,11.84) 175.58,11.55 175.57,11.54 arc(175.28,11.34) 174.93,11.27 171.45,11.27 arc(171.31,11.3) 171.2,11.37 v1(170.95,11.62)
  Bottom w0.2: R37.1 197.5,9.57 197.14,9.93 arc(196.65,10.26) 196.08,10.37 194.53,10.37 arc(193.35,10.61) 192.34,11.28 192.26,11.36 arc(191.59,12.37) 191.35,13.56 191.35,16.66 arc(191.28,17) 191.09,17.3 191.08,17.31 arc(190.78,17.5) 190.44,17.57 v1(186.55,17.57) ; U4.13 170.4,12.48 arc(170.46,12.2) 170.62,11.95 v1(170.95,11.62)
D+: length 5.6
  Bottom w0.2: R4.1 96.84,16.55 97.01,16.39 arc(97.17,16.28) 97.36,16.25 97.56,16.25 arc(97.94,16.32) 98.27,16.54 98.72,16.99 arc(99.71,17.65) 100.88,17.88 U3.47
D-: length 5.6
  Bottom w0.2: U3.46 100.85,17.48 arc(99.79,17.28) 98.9,16.68 98.5,16.28 arc(98.08,16) 97.58,15.9 97.33,15.9 arc(97.14,15.86) 96.98,15.75 96.84,15.62 R5.1
FLASH_nCS: length 5.6
  Bottom w0.18: U1.1 99.15,23.76 arc(99.18,23.91) 99.27,24.04 99.27,24.05 arc(99.4,24.13) 99.56,24.16 R2.2 100.3,23.68 arc(100.34,23.49) 100.45,23.33 100.45,23.32 arc(100.62,23.21) 100.81,23.17 101.17,23.17 arc(101.38,23.13) 101.56,23.01 101.59,22.99 arc(101.71,22.81) 101.75,22.6 U3.56
FLASH_SCK: length 8.1
  Bottom w0.18: U1.6 97.26,22.37 arc(96.97,22.32) 96.73,22.15 96.7,22.12 arc(96.53,21.87) 96.48,21.59 96.48,21.22 arc(96.53,20.94) 96.7,20.69 96.75,20.64 arc(96.99,20.48) 97.28,20.42 99.19,20.42 arc(99.48,20.37) 99.72,20.2 99.82,20.1 arc(100.06,19.94) 100.35,19.88 U3.52
FLASH_SD0: length 6.9
  Bottom w0.18: U3.53 100.5,20.28 arc(100.21,20.34) 99.97,20.5 99.94,20.53 arc(99.7,20.7) 99.41,20.75 97.29,20.75 arc(97.12,20.79) 96.97,20.88 96.95,20.91 arc(96.85,21.05) 96.82,21.23 96.82,21.5 arc(96.85,21.67) 96.95,21.82 96.97,21.84 arc(97.11,21.94) 97.29,21.97 U1.5
FLASH_SD1: length 3.7
  Bottom w0.18: U3.55 101.03,21.08 arc(100.86,21.12) 100.72,21.22 100.71,21.22 arc(100.61,21.37) 100.58,21.54 100.58,21.96 arc(100.52,22.27) 100.35,22.53 100.33,22.54 arc(100.07,22.71) 99.77,22.77 U1.2
FLASH_SD2: length 3.7
  Bottom w0.18: U1.3 99.67,22.37 arc(99.88,22.33) 100.06,22.21 100.09,22.18 arc(100.21,22) 100.25,21.79 100.25,21.41 arc(100.3,21.14) 100.46,20.92 100.48,20.89 arc(100.71,20.74) 100.98,20.68 U3.54
FLASH_SD3: length 9.2
  Bottom w0.18: U3.51 100.2,19.48 arc(99.91,19.54) 99.67,19.7 99.5,19.87 arc(99.26,20.04) 98.97,20.09 97.26,20.09 arc(96.86,20.17) 96.52,20.4 96.45,20.47 arc(96.23,20.81) 96.15,21.21 96.15,21.68 arc(96.23,22.09) 96.45,22.43 96.49,22.46 arc(96.83,22.69) 97.23,22.77 U1.7
Row0: length 477.4
  Bottom w0.2: U3.38 104.18,11.19 arc(104.09,10.73) 103.83,10.35 103.8,10.31 arc(103.41,10.05) 102.95,9.96 100.95,9.96 arc(99.25,10.3) 97.8,11.27 95.17,13.89 arc(93.73,14.86) 92.03,15.2 73.99,15.2 arc(73.12,15.37) 72.39,15.86 72.21,16.04 arc(71.72,16.77) 71.55,17.64 71.55,23.45 arc(71.46,23.89) 71.21,24.26 71.18,24.29 arc(70.81,24.54) 70.37,24.62 36.77,24.62 arc(36.01,24.47) 35.36,24.04 35.33,24.01 arc(34.68,23.58) 33.92,23.42 28.51,23.42 arc(28,23.53) 27.56,23.82 27.55,23.83 arc(27.11,24.12) 26.6,24.22 12.5,24.22 arc(11.99,24.12) 11.55,23.83 11.54,23.82 arc(11.1,23.53) 10.59,23.42 3.79,23.42 arc(3.3,23.52) 2.87,23.8 2.83,23.85 arc(2.55,24.27) 2.45,24.77 2.45,59.47 arc(2.53,59.89) 2.77,60.25 2.83,60.3 arc(3.18,60.54) 3.61,60.62 4.4,60.62 arc(4.72,60.69) 5,60.87 5,60.87 arc(5.19,61.15) 5.25,61.47 5.25,67.09 arc(5.19,67.4) 5.02,67.66 4.98,67.69 arc(4.72,67.86) 4.42,67.92 3.11,67.92 arc(2.73,68) 2.41,68.22 2.39,68.23 arc(2.18,68.55) 2.1,68.94 2.1,88.43 arc(2.19,88.88) 2.45,89.27 2.48,89.3 arc(2.87,89.56) 3.32,89.65 D1.1 D2.1 50.77,89.65 arc(51.56,89.81) 52.22,90.25 52.24,90.27 arc(52.91,90.72) 53.69,90.87 D3.1 57.7,90.87 arc(58.49,90.72) 59.15,90.27 59.17,90.25 arc(59.84,89.81) 60.62,89.65 D4.1 D5.1 107.92,89.65 arc(108.71,89.81) 109.37,90.25 109.39,90.27 arc(110.06,90.72) 110.84,90.87 D6.1 114.85,90.87 arc(115.64,90.72) 116.3,90.27 116.32,90.25 arc(116.99,89.81) 117.77,89.65 D7.1 146.02,89.65 arc(146.81,89.81) 147.47,90.25 147.49,90.27 arc(148.16,90.72) 148.94,90.87 D8.1 152.95,90.87 arc(153.74,90.72) 154.4,90.27 154.42,90.25 arc(155.09,89.81) 155.87,89.65 D9.1 D10.1 D11.1 D12.1 239.74,89.65 arc(240.14,89.73) 240.49,89.96 240.49,89.96 arc(240.72,90.31) 240.8,90.71 240.8,93.22 arc(240.88,93.64) 241.12,93.99 241.13,94 arc(241.49,94.24) 241.91,94.32 249.48,94.32 arc(249.82,94.25) 250.11,94.06 250.14,94.04 arc(250.33,93.74) 250.4,93.4 250.4,90.52 arc(250.46,90.2) 250.65,89.92 250.67,89.9 arc(250.95,89.71) 251.27,89.65 D13.1 D14.1 D15.1
